# Altium PCB Tigershark 3D R2.4 - TR.PcbDoc (part 2 of 4)
Units mil, origin at the board's own origin, x right, y up, seen from the top; angles counter-clockwise.
Board outline 4100 x 4050 mil, 4 copper layers (Top Layer, Groun Plane, Power Plane, Bottom Layer), stack 61.73 mil thick; 425 components, 241 nets, 1238 pads, 1219 vias.
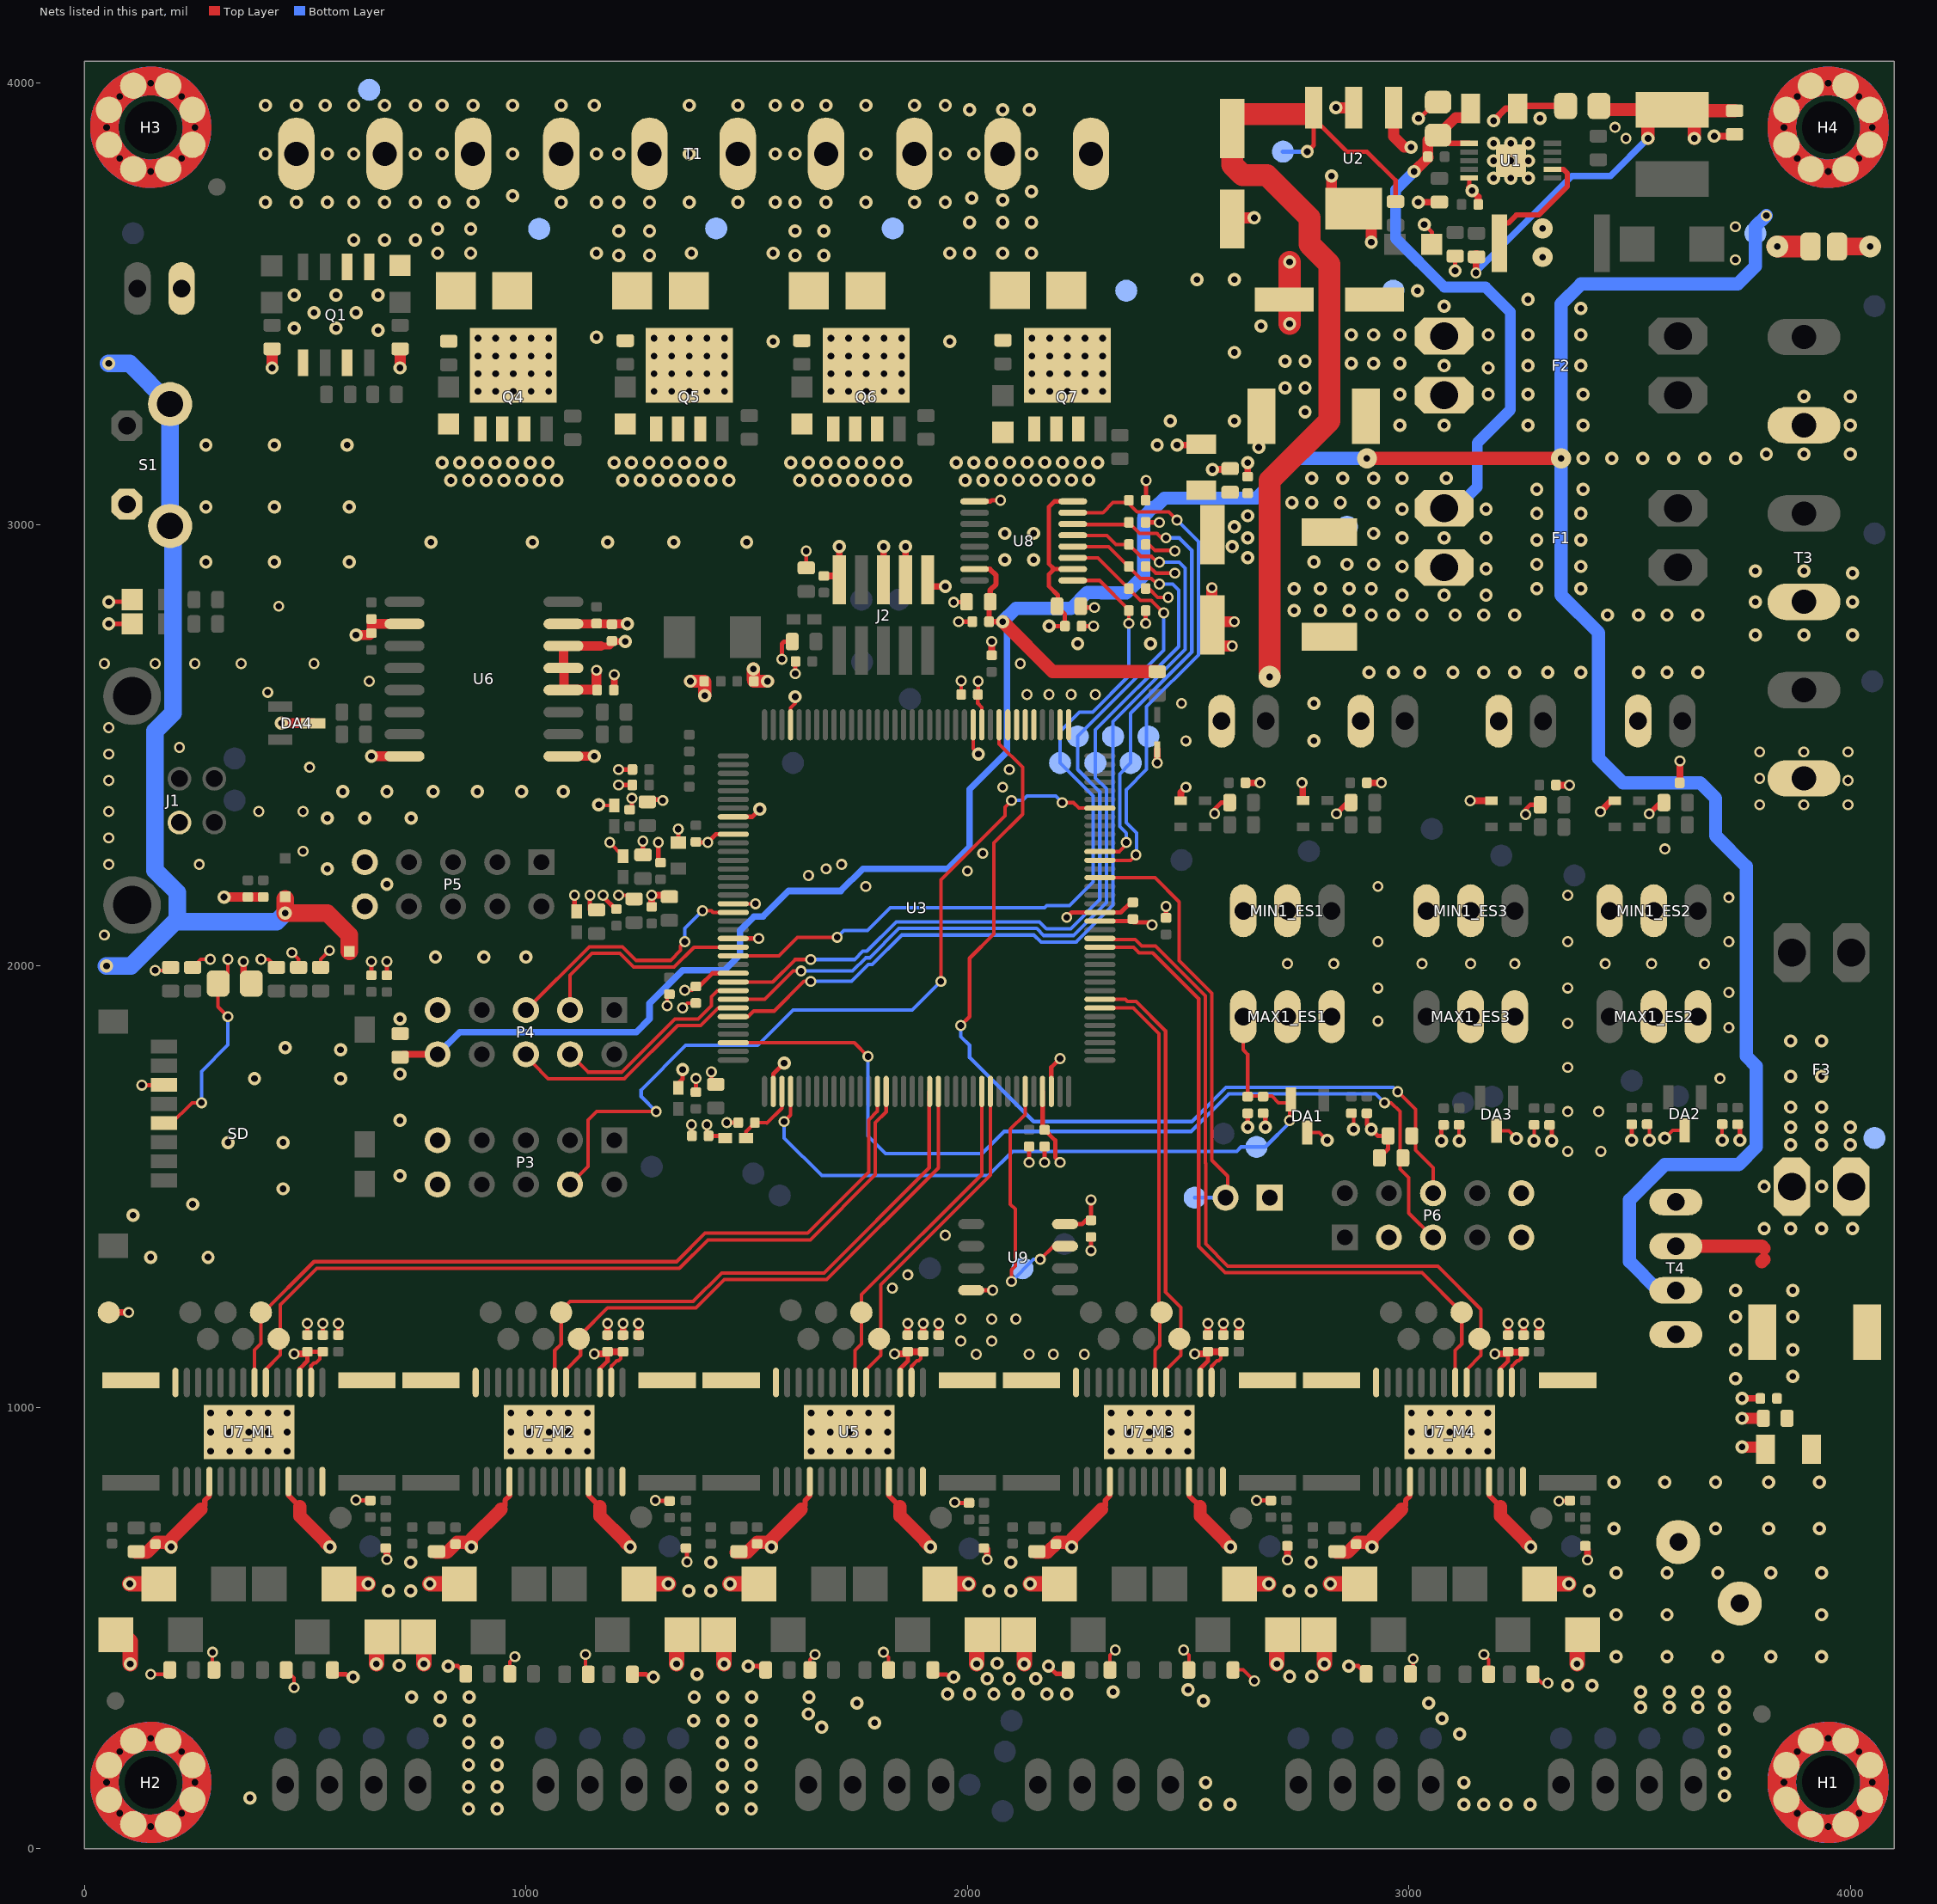
[diagram p4: the nets of this part, all layers, seen from the top]

## Footprints (in the part's own frame and the unit in brackets; to place one, negate y for a bottom-side part, rotate by r counter-clockwise, add the part's x,y. Pads: shape width x height; smd on the part's side, far side on the other; paste and mask are expansions set on the pad) (continued)
S25FL216K0PMFI041 [mm] "SOIC, 8-Leads, Body 4.90x3.90mm, Pitch 1.27mm, IPC Medium Density"
  oval 1.5x0.6 smd: 1(-2.7,1.905) 2(-2.7,0.635) 3(-2.7,-0.635) 4(-2.7,-1.905) 5(2.7,-1.905) 6(2.7,-0.635) 7(2.7,0.635) 8(2.7,1.905)
  silkscreen extent -2.82,-2.45 1.55,2.88, body extent -1.95,-2.45 1.95,2.45, height 1.75
SJ [mil]
  rrect50% 46x63 smd: 1(-30,0) 2(30,0)
  silkscreen extent -65,-40 65,40, body extent -53,-31 53,31, height 4
SK310A-TP [mm] "Molded Diode, 2-Leads, Body 4.31x2.69mm, IPC Medium Density"
  rect 2.3x2.15 smd: 1(-1.625,0) 2(1.625,0)
  silkscreen extent -2.3,-1.45 3.07,1.75, body extent -2.29,-1.42 2.28,1.42, height 2.95
SMA-SM [mil]
  rect 79x79 smd: A(79,0) C(-78.74,0)
  silkscreen extent -89,-49 89,50, body extent -105,-54 105,55, height 116
SOD323-R [mil]
  rect 24x24 smd: A(44,0) C(-43.31,0)
  body extent -50,-31 50,31, height 28
SOD523 [mil]
  rect 28x20 smd: A(27.56,0) C(-27.56,0)
  body extent -30,-16 30,16, height 28
SOT95P230X110-3N [mm] "SOT23, 3-Leads, Body 2.90x2.30mm, Pitch 0.95mm, IPC Medium Density"
  rect 1.4x0.6 smd: 1(-0.95,0.95) 2(-0.95,-0.95) 3(0.95,0)
  silkscreen extent -1.07,-1.5 0.7,1.93, body extent -0.7,-1.5 0.7,1.5, height 1.1
SOT230P700X190-4N [mm] "SOT223, 4-Leads, Body 6.50x7.00mm (avg), Pitch 2.30mm, IPC Medium Density"
  rect 2.4x1 smd: 1(-2.9,2.3) 2(-2.9,0) 3(-2.9,-2.3)
  rect 2.4x3.25 smd: 4(2.9,0)
  silkscreen extent -3.02,-3.35 1.4,3.48, body extent -1.85,-3.35 1.85,3.35, height 1.9
SOT669 [mil]
  rect 28x56 smd: 1(-75,-100.39) 2(-25,-100.39) 3(25,-100.39) 4(75,-100.39)
  rect 197x170 smd mask-200: MB(0,44)
  silkscreen extent -94,-77 95,-48, body extent -96,-120 97,128, height 43
SZMM3Z4V7T1G [mm] "Molded Diode, 2-Leads, Body 1.70x1.25mm, IPC Medium Density"
  rect 0.9x0.35 smd: 1(-1,0) 2(1,0)
  silkscreen extent -0.95,-0.7 1.4,0.7, body extent -0.9,-0.67 0.9,0.67, height 1
TP-2#1 [mil]
  round 50 smd: 1(0,0)
TP-2#2 [mil]
  round 50 smd far side: 1(0,0)
TSOP65P640X120-16N [mm] "TSOP, 16-Leads, Body 5.00x4.40mm, Pitch 0.65mm, IPC Medium Density"
  oval 1.65x0.35 smd: 1(-2.825,2.275) 2(-2.825,1.625) 3(-2.825,0.975) 4(-2.825,0.325) 5(-2.825,-0.325) 6(-2.825,-0.975) 7(-2.825,-1.625) 8(-2.825,-2.275) 9(2.825,-2.275) 10(2.825,-1.625) 11(2.825,-0.975) 12(2.825,-0.325) 13(2.825,0.325) 14(2.825,0.975) 15(2.825,1.625) 16(2.825,2.275)
  silkscreen extent -2.95,-2.55 1.6,3.12, body extent -2.25,-2.55 2.25,2.55, height 1.2
VSSOP10 [mm] "TSSOP, 10-Leads, Body 3.15x3.00mm, Pitch 0.50mm, Thermal Pad 2.05.2x1.50.2mm, IPC High Density"
  rect 1.02x0.3 smd mask+0.102: 1(-2.4,1) 2(-2.4,0.5) 3(-2.4,0) 4(-2.4,-0.5) 5(-2.4,-1) 6(2.4,-1) 7(2.4,-0.5) 8(2.4,0) 9(2.4,0.5) 10(2.4,1)
  rect 1.73x1.9 smd: 11(0,0)
  silkscreen extent -2.02,-1.7 0.65,1.82, body extent -1.55,-1.7 1.55,1.7, height 1.09
Wave_hole_3x7-singleSided#1 [mil]
  round 0 hole 118.11 unplated paste+0 mask-112: 0(0,1.85)
  round 0 hole 15 paste-20 mask-20: 1(-100,0) 1(-70,-70) 1(-70,70) 1(0,-100) 1(0,100) 1(70,-70) 1(70,70) 1(100,0)
  round 60 smd paste-5 mask+0: 1(-94.49,-39.37) 1(-94.49,39.37) 1(-39.37,-94.49) 1(-39.37,94.49) 1(39.37,-94.49) 1(39.37,94.49) 1(94.49,-39.37) 1(94.49,39.37)
  Top Layer circle w64.96: c0,0 r105
  Bottom Layer lines w64.96: -78.26,-70 ccw(c0,0) 105,0 ccw(c0,0) 74.25,74.25 ccw(c0,0) -78.26,-70
  body extent -105,-105 105,105
Wave_hole_3x7-singleSided#2 [mil]
  round 0 hole 118.11 unplated paste+0 mask-112: 0(0,0)
  round 0 hole 15 paste-20 mask-20: 1(-100,0) 1(-70,-70) 1(-70,70) 1(0,-100) 1(0,100) 1(70,-70) 1(70,70) 1(100,0)
  round 60 smd paste-5 mask+0: 1(-94.49,-39.37) 1(-94.49,39.37) 1(-39.37,-94.49) 1(-39.37,94.49) 1(39.37,-94.49) 1(39.37,94.49) 1(94.49,-39.37) 1(94.49,39.37)
  Top Layer circle w64.96: c0,0 r105
  Bottom Layer lines w64.96: -74.25,74.25 ccw(c0,0) 74.25,-74.25 ccw(c0,0) 105,0 ccw(c0,0) -74.25,74.25
  body extent -105,-105 105,105
XAL50xx-153 [mm] "Precision Wire Wound Inductor, 2-Leads, Body 5.28x5.48mm, IPC High Density"
  rect 2.05x4.2 smd: 1(-2,0) 2(2,0)
  silkscreen extent -2.75,-2.85 2.75,2.85, body extent -2.74,-2.84 2.74,2.84, height 4.25

## Part data
C1_ES1 C1_ES2 C1_ES3 C2_ES1 C2_ES2 C2_ES3 C19: library part CC0402KRX7R8BB472, "CAP CER 0402 4.7nF 25V 10% X7R"
C3_M1 C3_M2 C3_M3 C3_M4 C5_M1 C5_M2 C5_M3 C5_M4 C6_M1 C6_M2 C6_M3 C6_M4 C8_M1 C8_M2 C8_M3 C8_M4 C52 C62 C67 C72: library part C1608X7R1E103K080AA, "CAP CER 0603 10nF 25V 10% X7R"
C4: library part CL21A476MQCLRNC, "CAP CER 47UF 6.3V 20% X5R 0805"
C7: library part UPW1H471MHD1TO, "CAP ALU 470uF 50V 20%"
C9: library part C1206C475K5PACTU, "CAP CER 1206 4.7uF 50V 10% X5R"
C10: library part GRM21BR71H105KA12L, "CAP CER 0805 1uF 50V 10% X7R"
C11 C35 C40 C66_M1 C66_M2 C66_M3 C66_M4: library part C0603C104K5RACTU, "CAP CER 0603 100nF 50V 10% X7R"
C12_M1 C12_M2 C12_M3 C12_M4 C14_M1 C14_M2 C14_M3 C14_M4 C51 C63 C69 C70 C75_M1 C75_M2 C75_M3 C75_M4: library part "100nF C0402 - GRM155R71C104KA88D", "Capacitor (Semiconductor SIM Model)"
C13 C17 C25 C28 C29 C32 C36 C55 C60: library part C1608JB0J106K080AB, "CAP CER 10UF 6.3V 10% JB 0603"
C15 C16 C18: "CAP ALUM 100UF 35V 20% SMD"
C20 C26: library part GRM155R71C104KA88D, "CAP CER 0.1UF (100nF) 16V 10% X7R 0402"
C21: library part C0805C106K8PACTU, "CAP CER 0805 10uF 10V 10% X5R"
C22: library part GRM155R60J105KE19D, "CAP CER 0402 1uF 6.3V 10% X5R"
C23 C27 C30_TR1 C30_TR2 C30_TR3 C30_TR4 C33 C34 C37 C38 C39 C41 C42 C45 C46 C47 C48 C53 C54 C56 C57 C58 C59 C61 C64 C65 C74: library part GRM155R71C104KA88D, "CAP CER 0402 100nF 16V 10% X7R"
C24 C50 C71_M1 C71_M2 C71_M3 C71_M4: library part GRM155R60J474KE19D, "0.47uF 6.3v C0402 - GRM155R60J474KE19D"
C43 C44: library part CL05C100JB5NNNC, "CAP CER 10PF 50V 5% NP0 0402"
C49 C68_M1 C68_M2 C68_M3 C68_M4: library part GRM155R71H103JA88D, "CAP CER 10000PF 50V X7R 0402"
C73: library part CL05C220JB5NNNC, "CAP CER 22PF 50V 5% NP0 0402"
C77 C80: library part CL31A106KBHNNNE, "CAP CER 10UF 50V 10% X5R 1206"
C78 C81: library part CL10B104KB8SFNC, "CAP CER 0.1UF 50V 10% X7R 0603"
C79 C82: library part CL05B103JB5NNNC, "CAP CER 10000PF 50V 5% X7R 0402"
D1: library part "D Zener", "Zener Diode"
D2: library part SK310A, "DIODE Schottky 3A SMA"
D3_TR1 D3_TR2 D3_TR3 D3_TR4 D5_TR1 D5_TR2 D5_TR3 D5_TR4: "DIODE SOD523"
D4 D6 D7: "DIODE DO-214AB"
D8 D9: "DIODE TVS"
D10 D11 D13 D14 D16 D18 D24 D29: "LED 0805 Yellow"
D12 D15 D17 D19: library part "D Schottky", "Schottky Diode"
D20_M1 D20_M2 D20_M3 D20_M4 D21_M1 D21_M2 D21_M3 D21_M4 D22_M1 D22_M2 D22_M3 D22_M4 D23_M1 D23_M2 D23_M3 D23_M4 D25 D26 D27 D28: "DIODE TVS 30V SMA"
DA1 DA2 DA3 DA4: "PESDxL2BT TVS Diode Array 2x"
F1 F2 F3: "FUSE PTH ATO"
GND_TP TP1_M1 TP1_M2 TP1_M3 TP1_M4 TP2 TP3 TP4 TP5 TP6 TP7 TP8 TP9_ES1 TP9_ES2 TP9_ES3 TP10_ES1 TP10_ES2 TP10_ES3 TP11 TP12 TP13 TP14 TP15 TP16 TP17 TP18 TP19 TP20 TP21 TP22 TP23 TP24_M1 TP24_M2 TP24_M3 TP24_M4 TP25_M1 TP25_M2 TP25_M3 TP25_M4 TP26_M1 TP26_M2 TP26_M3 TP26_M4 TP27_M1 TP27_M2 TP27_M3 TP27_M4 TP28 TP29 TP30 TP31 TP32_M1 TP32_M2 TP32_M3 TP32_M4 TP33_M1 TP33_M2 TP33_M3 TP33_M4 TP34 TP35_M1 TP35_M2 TP35_M3 TP35_M4 TP36_M1 TP36_M2 TP36_M3 TP36_M4 TP37_M1 TP37_M2 TP37_M3 TP37_M4 TP38 TP39_M1 TP39_M2 TP39_M3 TP39_M4 TP40_M1 TP40_M2 TP40_M3 TP40_M4 TP41 TP42 TP43 TP44 TP45 TP46 TP47 TP48 TP49 TP50 TP51 TP52_TR1 TP52_TR2 TP52_TR3 TP52_TR4 TP53 TP54 TP55 TP56 TP57 TP58 TP59 TP60 TP61 TP62: library part Socket, "Socket"
J2: library part "ARM Cortex JTAG-DEBUG Header"
JP1: "SMD solder jumper"
L1: "IND 15uH 3.9A 20%"
LED1: "LED 0805 Green"
M1_M1 M1_M2 M1_M3 M1_M4 M2 M3 T4: library part "Molex 0705430003 Alt", "Molex 4 Pin Clip Connector"
MAX1_ES1 MAX1_ES2 MAX1_ES3 MIN1_ES1 MIN1_ES2 MIN1_ES3: library part "Molex Endstop"
P1: library part "Header 2", "Header, 2-Pin"
P3 P4 P5 P6: "Header, 5-Pin, Dual row"
Q4 Q5 Q6 Q7: "Mosfet N-channel 60V 356A 117W 9.3mOhms"
R1 R7 R10 R12 R21 R28 R29 R34 R35 R40: library part ERJ-3EKF1002V, "RES 0603 10K 100mW 1%"
R2_ES1 R2_ES2 R2_ES3 R3_ES1 R3_ES2 R3_ES3: library part ERJ-2GEJ272X, "RES SMD 2.7K OHM 5% 1/10W 0402"
R4: library part Res3, "Resistor"
R5 R22: library part ERJ-2RKF39R0X, "RES SMD 39 OHM 1% 1/10W 0402"
R6: library part RC0603FR-07100KL, "RES 100K OHM 1/10W 1% 0603 SMD"
R8_M1 R8_M2 R8_M3 R8_M4 R27 R31_M1 R31_M2 R31_M3 R31_M4 R37: library part ERJ-2RKF2701X, "RES SMD 2.7K OHM 1% 1/10W 0402"
R9: library part RL2512FK-070R06L, "RES 0.06 OHM 1W 1% 2512 SMD"
R11 R25 R26: library part ERJ-3EKF1001V, "RES 0603 1K 100mW 1%"
R13 R47 R56 R60 R64 R68: library part RC0603JR-071K8L, "RES 0603 1.8K 100mW 5%"
R14_TR1 R14_TR2 R14_TR3 R14_TR4 R19_TR1 R19_TR2 R19_TR3 R19_TR4 R42 R43: library part ERJ3EKF4701V, "RES 0603 4.7K 100mW 1%"
R15 R16 R18 R20: library part RC1608F240CS, "RES SMD 24 OHM 1% 1/10W 0603"
R17: library part CRCW0402200KFKED, "RES 0402 22r 63mW 1%"
R23: library part CRCW04026K80FKED, "RES SMD 6.8K OHM 1% 1/16W 0402"
R24 R30_M1 R30_M2 R30_M3 R30_M4 R36 R41: library part ERJ2GEJ105X, "RES 0402 1M 100mW 5%"
R32_M1 R32_M2 R32_M3 R32_M4 R33_M1 R33_M2 R33_M3 R33_M4 R38 R39: library part CSRN2512FTR100, "RES SMD 0.1 OHM 1% 2W 2512"
R45 R52 R58 R62 R66 R70: library part CRCW060310R0FKEA, "RES 0603 10r 100mW 1%"
R46 R55 R59 R63 R67 R71: library part RC1005F104CS, "RES SMD 100K OHM 1% 1/16W 0402"
S1: library part 1571610-2_1, "SWTCH Momentary Washable"
SD: "microSD 502570-0893 Molex Part"
T1: library part "0395311010 - Molex 10 Position Connector", "MSBTV10 10 port connector same as RAMBo"
T3: "PHOENIX"
U1: library part LM25011, "REG BUCK"
U5 U7_M1 U7_M2 U7_M3 U7_M4: "DRV8825 Ti Stepper Driver"
U6: "USB Opto Isolator"
U8: library part TXB0106, "TXB0106 - Bidriectional Opendrain/pushpull level shift"
X2: library part XTAL, "Crystal Oscillator"

## Via types
v1: diameter 30, hole 15, Top Layer to Bottom Layer, tented both sides, 769 vias
v2: diameter 25, hole 15, Top Layer to Bottom Layer, tented both sides, 443 vias
v3: diameter 45, hole 15, Top Layer to Bottom Layer, tented both sides, 4 vias
v4: diameter 50, hole 15, Top Layer to Bottom Layer, tented both sides, 3 vias

## Nets (pads, with @x,y where several pads share a name; then routed paths per layer and width w, separated by ;. In a path a pad name is that pad's centre, name@x,y a point inside that pad or via, vN(x,y) a via of type N, cw(c..) or ccw(c..) an arc to the next point about the centre after c; other vN are vias at no path point)
3.3VCC: C4.1 C12_M1.2 C12_M2.2 C12_M3.2 C12_M4.2 C14_M1.2 C14_M2.2 C14_M3.2 C14_M4.2 C18.1 C25.2 C26.2 C34.1 C45.1 C46.1 C47.1 C48.1 C56.1 C64.1 C69.2 C70.2 C74.1 FB5.1 FB6.1 FB7.1 FB8.1 FB9.1 J2.1 MAX1_ES1.3 MAX1_ES2.3 MAX1_ES3.3 MIN1_ES1.3 MIN1_ES2.3 MIN1_ES3.3 P1.1 P3.10 P5.10 P6.10 R2_ES1.2 R2_ES2.2 R2_ES3.2 R3_ES1.2 R3_ES2.2 R3_ES3.2 R6.2 R11.2 R19_TR1.2 R19_TR2.2 R19_TR3.2 R19_TR4.2 R21.2 R28.2 R29.2 R34.1 R35.1 R40.1 R42.1 R43.1 SD.4 T4.1 TP34.1 U2.3 U3.11 U3.62 U3.105 U3.125 U5.16 U5.17 U6.12 U6.13 U6.14 U7_M1.16 U7_M1.17 U7_M2.16 U7_M2.17 U7_M3.16 U7_M3.17 U7_M4.16 U7_M4.17 U8.2 U8.8 U9.8 | length 6152.9
  Top Layer w8: v2(160,1990) 188.23,1990 R40.1@195,1996.77 ; SD.4@170,1643.94 173.94,1640 193.59,1640 243.59,1690 v2(265,1690) ; R35.1@245,1996.77 263.23,2015 v2(285,2015) ; v2(325,1885) 302.6,1907.4 C4.1@302.6,1960 325,1982.4 v2(325,2015) ; v2(400,2015) 416.77,2015 R34.1@435,1996.77 ; v2(470,2030) 485,2015 R28.2@485,1996.77 ; U7_M1.16@513.24,1056.2 513.24,1094.24 519.93,1100.93 524.72,1100.93 533.31,1109.52 C14_M1.2@533.31,1119.31 ; R29.2@535,1996.77 535,2015 v2(555,2035) ; v1(1165,2365) 1166.38,2363.62 FB8.1@1200,2363.62 ; v2(1190,2280) 1190,2278.62 FB7.1@1220,2248.62 ; U7_M2.16@1191.23,1059.21 1193.24,1057.2 1193.24,1093.24 1205.61,1105.61 1209.39,1105.61 1214.39,1110.61 C14_M2.2@1214.39,1120.39 ; v2(1210,2160) 1236.77,2160 R6.2@1245,2151.77 ; v2(1360,1945) 1376.3,1945 C48.1@1385,1953.7 ; v2(1410,1640) 1410,1618.7 C64.1@1413.7,1615 ; R21.2@1635,2901.77 1626.77,2910 1626.77,2893.55 R21.2@1635,2901.77 v2(1635,2940) ; U5.16@1873.5,1057.2 1873.5,1093.24 1885.87,1105.61 1889.65,1105.61 1894.65,1110.61 C70.2@1894.65,1120.39 ; C47.1@2023.56,2613.37 2023.56,2595 2032.64,2585.92 U3.11@2032.64,2546.46 ; C47.1@2024.47,2615 v2(2024.47,2645) ; U7_M3.16@2551.23,1059.21 2553.24,1057.2 2553.24,1093.24 2565.61,1105.61 2569.39,1105.61 2574.39,1110.61 C14_M3.2@2574.39,1120.39 ; U7_M4.16@3231.23,1059.21 U7_M4.16@3233.24,1057.2 ; U7_M4.16@3233.24,1056.2 U7_M4.16@3233.24,1057.2 ; C14_M4.2@3260,1126 3259,1125 3254.39,1120.39 3254.39,1110.61 3249.39,1105.61 3245.61,1105.61 3233.24,1093.24 U7_M4.16@3233.24,1057.2
  Top Layer w10: U7_M1.17@487.65,1056.2 487.65,1087.65 505,1105 505,1121 510,1126 C14_M1.2@540,1126 ; FB5.1@1110,2123.62 v2(1110,2160) ; U7_M2.17@1167.65,1056.2 1167.65,1087.65 1185,1105 C12_M2.2@1185,1121 ; FB6.1@1340,1728.62 1355,1743.62 v1(1355,1765) ; C48.1@1393.54,1954.5 1422.51,1983.46 U3.62@1469.65,1983.46 ; C64.1@1413.7,1615 1446.38,1615 FB9.1@1451.38,1610 ; U5.17@1847.91,1056.2 1847.91,1087.65 1865.26,1105 C69.2@1865.26,1121 ; U3.105@2170.43,1715.75 2170.43,1634.57 C45.1@2185,1620 ; C45.1@2175,1628.7 2199,1604.7 2199,1566 v2(2210,1555) ; v1(2185,2770) C26.2@2221,2770 2221,2797.23 C25.2@2203.23,2815 ; C25.2@2205,2810 2205,2840 2185,2860 2185,2887.44 2196.58,2899.02 ; U9.8@2221.3,1415 2260,1415 2268.7,1423.7 C34.1@2280,1423.7 v2(2280,1470) ; U8.2@2238.78,2899.02 2196.58,2899.02 ; U8.8@2238.78,3052.57 2197.13,3052.57 2185,3040.44 2185,2910.61 2196.58,2899.02 ; U3.125@2300.35,2101.57 C46.1@2365.57,2101.57 ; C46.1@2370,2106 2377.11,2098.89 2412.61,2098.89 v2(2418.5,2093) ; U7_M3.17@2527.65,1056.2 2527.65,1087.65 2545,1105 C12_M3.2@2545,1121 ; v2(2560,2345) 2560,2355.05 2575,2370.04 R19_TR2.2@2594.23,2370.04 ; v1(2635,1635) R3_ES1.2@2635,1666 ; v1(2770,3845) 2784.45,3859.45 U2.3@2784.45,3944.17 ; U2.3@2790,3915 2860,3845 2905,3845 2970,3780 R11.2@2970,3731.77 ; R2_ES1.2@2905,1666 2905,1640 v1(2915,1630) 2930,1615 R43.1@2953.23,1615 2953.23,1585 R42.1@2933.23,1565 ; v1(3073.9,1603.9) 3073.9,1634.9 R3_ES3.2@3078.9,1639.9 ; U7_M4.17@3207.65,1056.2 3207.65,1087.65 3225,1105 3225,1121 C12_M4.2@3225,1125 ; v2(3264.53,2343.23) 3264.53,2354.53 3275,2365 R19_TR4.2@3295,2365 ; R2_ES3.2@3318.9,1639.9 3323.9,1634.9 v1(3323.9,1603.9) ; v1(3505,1605) R3_ES2.2@3505,1641 ; R19_TR3.2@3574.06,2370.94 R19_TR3.2@3575,2370 ; R2_ES2.2@3745,1641 3750,1636 v1(3750,1605)
  Top Layer w12: v2(2836,2344.57) 2861.47,2370.04 R19_TR1.2@2869.23,2370.04 ; v2(3544.53,2344.53) R19_TR3.2@3572.5,2372.5
  Top Layer w15: v2(475,1121) C12_M1.2@505,1121 ; v2(1155,1121) 1185,1121 C12_M2.2@1190,1126 ; 1170,2725 1190,2725 1200,2735 v1(1225,2735) ; C12_M2.2@1185,1126 C12_M2.2@1190,1126 ; C14_M2.2@1220,1126 C12_M2.2@1190,1126 ; v2(1835.26,1121) 1865.26,1121 1870.26,1126 C70.2@1900,1126 ; 1924.92,2860 v1(1950,2860) ; v2(2515,1121) 2545,1121 C12_M3.2@2550,1126 ; C12_M3.2@2545,1126 C12_M3.2@2550,1126 ; C14_M3.2@2580,1126 C12_M3.2@2550,1126 ; v2(3195,1121) C12_M4.2@3225,1121 ; C12_M4.2@3225,1125 3259,1125 C14_M4.2@3264,1125
  Top Layer w22: v2(1160,2670) 1160,2626 1086.12,2626 1086.12,2674 U6.13@1085.12,2675 U6.14@1085.12,2725 1170,2725
  Top Layer w50: C18.1@2600,3905 2600,3815 2623.43,3791.57 2678.43,3791.57 2775,3695 2775,3635 2820,3590 2820,3235 2685,3100 v4(2685,2655) ; C18.1@2600,3930 U2.3@2775,3930
  Bottom Layer w8: v2(265,1690) 265,1761.21 325,1821.21 v2(325,1885)
  Bottom Layer w10: TP34.1@2715,3845 v1(2770,3845)
+5VCC: C11.1 C17.2 C20.2 C21.1 C29.2 L1.2 P4.10 R1.2 R7.2 R10.1 T4.2 TP31.1 U2.1 U8.15 | length 8718
  Top Layer w12: U8.15@2016.34,2899.02 2050.98,2899.02 2065,2885 2065,2865 2051.77,2851.77 C17.2@2051.77,2825 2049,2822.23 C20.2@2049,2780 v1@2070,2780
  Top Layer w15: C29.2@715,1793.23 721.77,1800 P4.10@800,1800 ; v1(3021.31,3730.43) 3069.09,3730.43 R7.2@3069.32,3730.65 ; v2(3152,3570) R10.1@3152,3605.35
  Top Layer w25: U2.1@2965.55,3944.17 2965.55,3879.45 2990,3855 v1(3005,3855)
  Top Layer w30: v1(2080,2780) 2193.23,2666.77 R1.2@2430,2666.77 ; v3(2905,3150) v3(3345,3150) ; R10.1@3152,3605.35 R10.1@3153.31,3606.66 ; C21.1@3430.72,3948.43 3438.98,3940.17 L1.2@3596.31,3940.17 3637,3940.17 3637,3915 3647,3905 v1(3647,3875) ; v1(3542,3875) L1.2@3542,3935.17 ; L1.2@3652,3940 3654.23,3937.77 C11.1@3738,3937.77
  Bottom Layer w15: P4.10@800,1800 850,1850 1250,1850 1280,1880 1280,1915 1355,1990 1450,1990 1485,2025 1485,2080.31 1516.82,2112.13 ; 1518.82,2112 1537,2112 1595,2170 1713.23,2170 1763.23,2220 1955,2220 2005,2270 2005,2400 2090,2485 2090,2770 v1(2080,2780) ; v2(3152,3570) 3152,3572.33 3369.67,3790 3457,3790 v1(3542,3875)
  Bottom Layer w30: v1(2080,2780) 2110,2810 2235,2810 2271.5,2846.5 2302.29,2846.5 2303.79,2845 2360,2845 2399.5,2884.5 2399.5,3013.29 2400.5,3014.29 2400.5,3019.29 2420.71,3039.5 2425.71,3039.5 2446.21,3060 2655,3060 2745,3150 v3(2905,3150) ; T4.2@3605,1265 3565,1265 3500,1330 3500,1470 3580,1550 3747.33,1550 3787,1589.67 3787,1773 3764.5,1795.5 3764.5,2225.5 3695,2295 3695,2380 3660,2415 3485,2415 3430,2470 3430,2755 3345,2840 v3(3345,3150) 3345,3500 3390,3545 3745,3545 3785,3585 3785,3675 v2(3810,3700)
+12VCC1: C7.1 C35.2 C66_M1.2 C66_M2.2 C66_M3.2 C66_M4.2 C80.1 C81.1 C82.2 D7.C F3.2 R30_M1.2 R30_M2.2 R30_M3.2 R30_M4.2 R36.2 T4.3 TP54.1 U5.4 U5.11 U7_M1.4 U7_M1.11 U7_M2.4 U7_M2.11 U7_M3.4 U7_M3.11 U7_M4.4 U7_M4.11 | length 2540.7
  Top Layer w12: 263.75,768.74 272.75,777.74 272.75,789.25 282.92,799.42 U7_M1.4@282.92,832.8 ; U7_M1.11@462.06,832.8 462.06,800.43 487.49,775 ; 943.75,768.74 952.75,777.74 952.75,789.25 962.92,799.42 U7_M2.4@962.92,832.8 ; U7_M2.11@1142.06,832.8 1142.06,800.43 1167.49,775 ; 1623.78,768.71 1632.78,777.71 1632.78,789.22 1642.95,799.39 U5.4@1642.95,831.76 ; U5.11@1822.09,832.76 1822.09,800.4 1847.52,774.97 ; 2303.75,768.74 2312.75,777.74 2312.75,789.25 2322.92,799.42 U7_M3.4@2322.92,832.8 ; U7_M3.11@2502.06,832.8 2502.06,800.43 2527.49,775 ; 2983.75,768.74 2992.75,777.74 2992.75,789.25 3002.92,799.42 U7_M4.4@3002.92,831.8 U7_M4.4@3002.92,832.8 ; U7_M4.11@3182.06,832.8 3182.06,800.43 3207.49,775
  Top Layer w30: C66_M1.2@116.23,671.18 141.19,671.18 163.75,693.74 186.23,693.74 v1(196.23,683.74) 196.23,701.22 263.75,768.74 ; 487.49,775 487.49,753.69 544.99,696.19 544.99,694.98 v1(556.23,683.74) ; C66_M2.2@796.23,671.18 821.19,671.18 843.75,693.74 866.23,693.74 v1(876.23,683.74) 876.23,701.22 943.75,768.74 ; 1167.49,775 1167.49,753.69 1224.99,696.19 1224.99,694.98 v1(1236.23,683.74) ; C35.2@1476.26,671.15 1501.22,671.15 1523.78,693.71 1546.26,693.71 v1(1556.26,683.71) 1556.26,701.19 1623.78,768.71 ; 1847.52,774.97 1847.52,753.66 1905.02,696.16 1905.02,694.95 v1(1916.26,683.71) ; C66_M3.2@2156.23,671.18 2181.19,671.18 2203.75,693.74 2226.23,693.74 v1(2236.23,683.74) 2236.23,701.22 2303.75,768.74 ; 2527.49,775 2527.49,753.69 2584.99,696.19 2584.99,694.98 v1(2596.23,683.74) ; C66_M4.2@2836.23,671.18 2861.19,671.18 2883.75,693.74 2906.23,693.74 v1(2916.23,683.74) 2916.23,701.22 2983.75,768.74 ; 3207.49,775 3207.49,753.69 3264.99,696.19 3264.99,694.98 v1(3276.23,683.74) ; T4.3@3605,1365 3800,1365 3805,1360 ; 3800,1330 3805,1335
  other v1: 870,90 935,90 1445,90 1510,90 2540,100 2595,100 3125,100 3170,100 3220,100 3275,100 375,115 3715,120 870,140 935,140 1445,140 1510,140 2540,150 3125,150 3715,170 870,190 935,190 1445,190 1510,190 3715,220 870,240 935,240 1445,240 1510,240 3115,260 3715,270 1670,275 1790,285 805,290 871.26,290 1380,290 1446.26,290 1510,290 3075,295 1640,305 3525,320 3590,320 3655,320 3715,320 1750,330 3045,330 2535,335 741.26,343.74 806.26,343.74 871.26,343.74 1381.26,343.74 1446.26,343.74 1511.26,343.74 1641.26,343.74 1955,350 2005,350 2060,350 2115,350 2180,350 2225,350 2330,355 3525,355 3590,355 3655,355 3715,355 2500,360 3360,370 3415,370 2045,385 2095,385 2155,385 2730,390 2780,390 1387.49,395 712.49,415 2067.49,420 3470,435 3585,435 3700,435 3820,435 3935,435 3470,530 3585,530 3935,530 688.75,583.74 738.75,583.74 1368.75,583.74 1418.75,583.74 2048.78,583.71 2098.78,583.71 2728.75,583.74 2778.75,583.74 3408.75,583.74 3470,625 3585,625 3700,625 3820,625 3935,625 738.75,648.74 1418.75,648.74 2098.78,648.71 2778.75,648.74 3465,725 3695,725 3815,725 3930,725 3465,830 3580,830 3695,830 3815,830 3930,830 3805,1405 3865,1405 3935,1405 4005,1405 3805,1500 3935,1500 3865,1595 3935,1595 4000,1595 3865,1635 3935,1635 4000,1635